# Altium PCB SJ2096POE.PcbDoc (part 4 of 5)
Units mm, origin at the board's own origin, x right, y up, seen from the top; angles counter-clockwise.
Board outline 60 x 60 mm, 4 copper layers (Top Layer, Layer 2, Layer 3, Bottom Layer), stack 1.578 mm thick; 235 components, 211 nets, 948 pads, 686 vias.
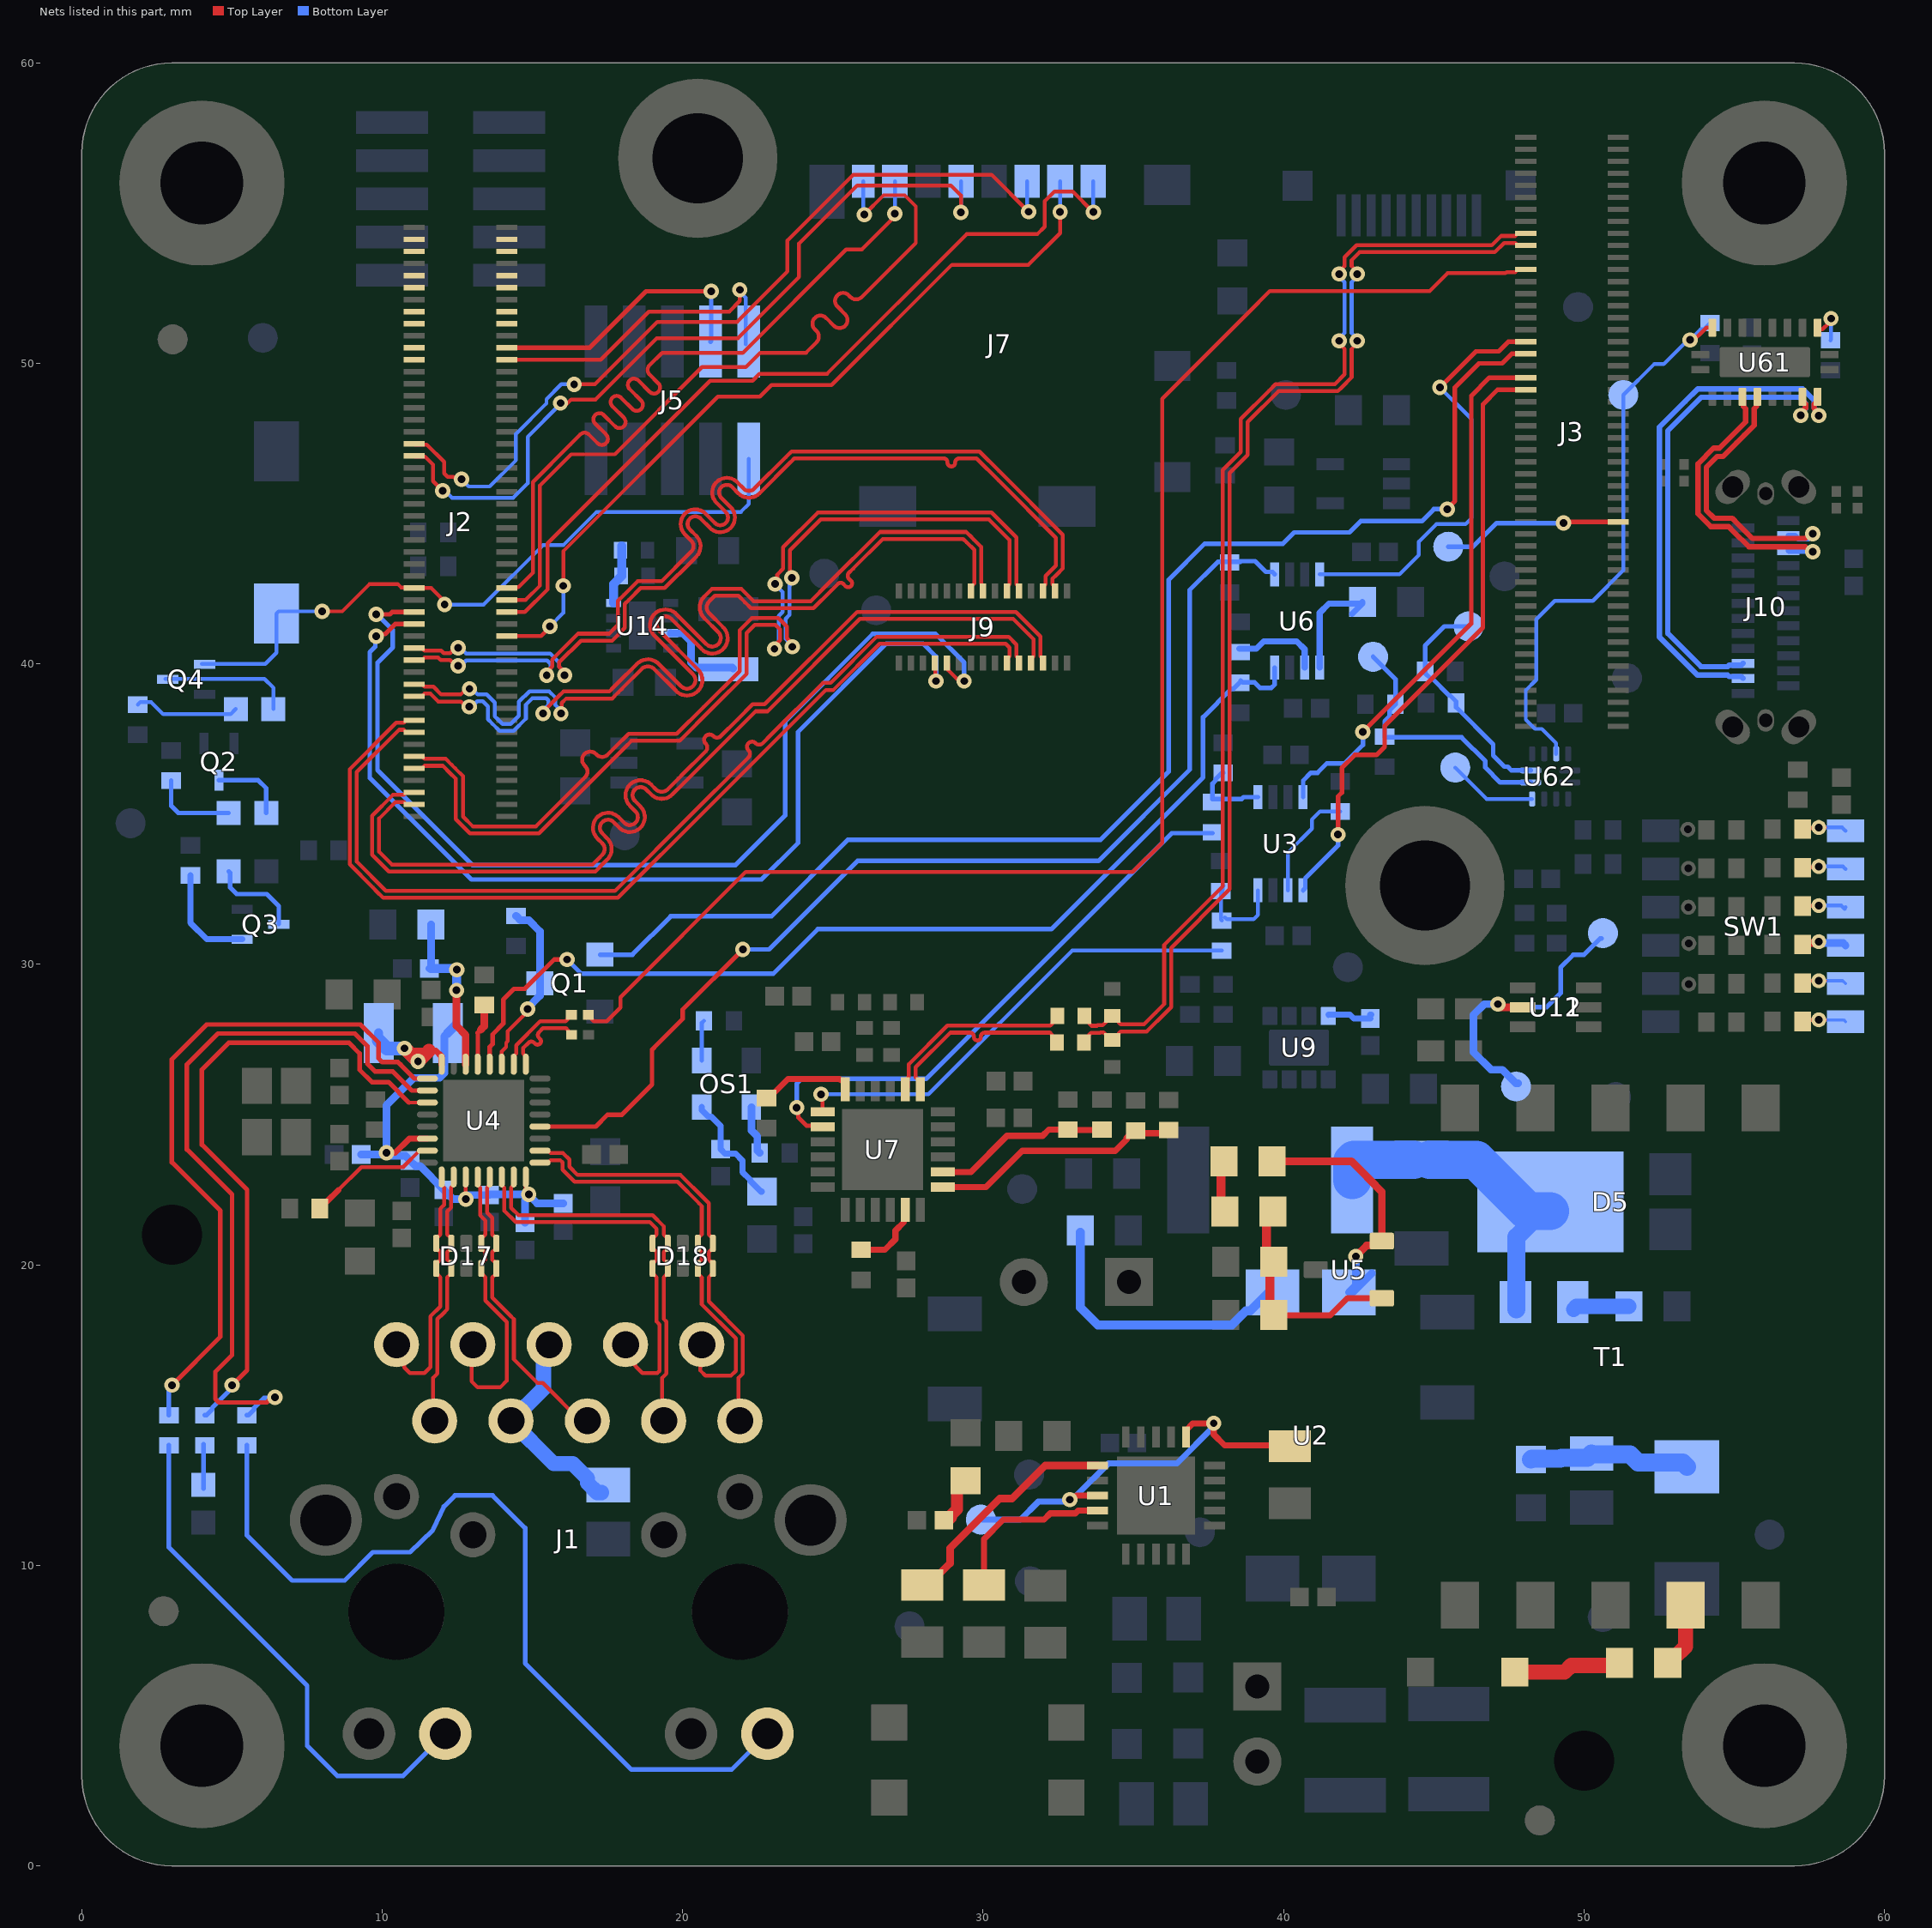
[diagram p6: the nets of this part, all layers, seen from the top]

## Via types
v1: diameter 0.508, hole 0.254, Top Layer to Bottom Layer, tented both sides, 674 vias
v2: diameter 0.406, hole 0.203, Top Layer to Bottom Layer, 10 vias
v3: diameter 0.508, hole 0.254, Top Layer to Bottom Layer, 2 vias

## Nets (pads, with @x,y where several pads share a name; then routed paths per layer and width w, separated by ;. In a path a pad name is that pad's centre, name@x,y a point inside that pad or via, vN(x,y) a via of type N, cw(c..) or ccw(c..) an arc to the next point about the centre after c; other vN are vias at no path point) (continued)
I2C0_SDA: J3.36 TP2.1 | length 6
  Top Layer w0.152: v1(49.315,44.686) 49.354,44.725 J3.36@51.14,44.725
  Bottom Layer w0.152: TP2.1@45.481,43.902 46.304,43.902 47.088,44.686 v1(49.315,44.686)
I2C1_SCL: J2.35 J9.20 | length 34.7
  Top Layer w0.127: J9.20@28.794,40.028 28.841,39.982 28.841,39.787 29.127,39.501 29.293,39.501 v1(29.366,39.428)
  Top Layer w0.152: v1(9.8,41.65) 10.25,41.65 10.325,41.725 J2.35@11.06,41.725
  Bottom Layer w0.152: v1(9.8,41.65) 9.825,41.65 10.35,41.125 10.35,40.548 9.84,40.039 9.84,36.467 13.007,33.301 21.751,33.301 23.413,34.963 23.413,38.088 26.325,41 28.417,41 29.366,40.05 v1(29.366,39.428)
I2C1_SDA: J2.33 J9.19 | length 33.5
  Top Layer w0.127: J9.19@28.394,40.028 28.414,40.009 28.414,39.447 v1(28.433,39.428)
  Top Layer w0.152: v1(9.8,40.925) 9.868,40.993 10.093,40.993 10.425,41.325 J2.33@11.06,41.325
  Bottom Layer w0.152: v1(9.8,40.925) 9.771,40.896 9.771,40.576 9.586,40.392 9.586,36.206 12.968,32.825 22.625,32.825 23.839,34.039 23.839,37.739 26.775,40.675 28,40.675 28.433,40.242 v1(28.433,39.428)
I2C2_SCL: J2.77
I2C2_SDA: J2.79
I2C3_SCL: J2.78 J5.2 | length 10.8
  Top Layer w0.127: J2.78@14.14,50.125 17.275,50.125 18.875,51.725 21.55,51.725 21.9,52.075 v1(21.9,52.45)
  Bottom Layer w0.127: v1(21.9,52.45) 21.9,52.387 22.102,52.185 J5.2@22.102,50.632
I2C3_SDA: J2.80 J5.4 | length 9.3
  Top Layer w0.152: J2.80@14.14,50.525 16.907,50.525 18.782,52.4 v1(20.95,52.4)
  Bottom Layer w0.152: J5.4@20.925,50.725 20.95,50.75 v1(20.95,52.4)
I2C4_SCL1_3v3: RZ2.2 U7.20 | length 19.4
  Top Layer w0.152: v1(23.795,25.236) 23.846,25.185 23.846,24.911 24.127,24.63 24.615,24.63 U7.20@24.655,24.59
  Bottom Layer w0.152: v1(23.795,25.236) 23.795,26.033 23.955,26.193 28.101,26.193 36.276,34.368 RZ2.2@37.634,34.368
I2C4_SCL_1V8: J3.59 U3.4 | length 18.2
  Top Layer w0.152: v1(42.637,37.738) 46.246,41.347 46.246,48.921 46.85,49.525 J3.59@48.06,49.525
  Bottom Layer w0.152: U3.4@40.65,35.566 40.65,36.117 40.91,36.377 41.128,36.377 41.442,36.692 42.027,36.692 42.637,37.302 v1(42.637,37.738)
I2C4_SCL_3v3: R26.2 RZ2.1 U3.1 | length 2.6
  Bottom Layer w0.152: R26.2@37.989,36.371 37.939,36.371 37.74,36.172 37.74,36.122 37.634,36.016 37.634,35.5 38.6,35.5 38.666,35.566 U3.1@39.15,35.566
I2C4_SDA1_3v3: RZ1.2 U7.19 | length 15.9
  Top Layer w0.127: v1(24.604,25.679) 24.655,25.628 U7.19@24.655,25.09
  Bottom Layer w0.127: v1(24.604,25.679) 28.179,25.679 32.958,30.458 RZ1.2@37.941,30.458
I2C4_SDA_1V8: J3.57 U3.5 | length 20.7
  Top Layer w0.152: v1(41.812,34.32) 41.812,35.59 41.94,35.718 41.94,36.54 42.37,36.97 43.094,36.97 43.363,37.24 43.363,37.938 46.634,41.209 46.634,48.634 47.125,49.125 J3.57@48.06,49.125
  Bottom Layer w0.152: U3.5@40.65,32.466 40.724,32.54 40.724,32.869 41.812,33.957 v1(41.812,34.32)
I2C4_SDA_3v3: R25.2 RZ1.1 U3.8 | length 3.2
  Bottom Layer w0.127: R25.2@37.912,32.441 37.912,31.487 RZ1.1@37.941,31.458 ; R25.2@37.975,32.441 37.975,32.591 R25.2@38,32.616 ; RZ1.1@38.046,31.564 38.111,31.5 39,31.5 39.15,31.65 U3.8@39.15,32.466
ISNS: R13.1 TP10.1 U1.1 U1.8 | length 14.2
  Top Layer w0.203: v1(32.881,12.191) 32.963,12.191 33.098,12.325 U1.8@33.8,12.325 ; U1.1@36.75,14.275 36.75,14.5 36.973,14.723 37.667,14.723 v1(37.675,14.73) 37.675,14.358 38.037,13.995 R13.1@39.961,13.995
  Bottom Layer w0.203: TP10.1@29.926,11.525 31.24,11.525 31.836,12.121 v1@32.979,12.121 ; v1(32.881,12.191) 32.963,12.191 33.113,12.34 33.115,12.34 34.175,13.4 36.45,13.4 37.675,14.625 v1(37.675,14.73)
LED0_10_GRN: R57.1 U4.27 | length 22.9
  Top Layer w0.127: 10.2,26.075 10.872,25.403 10.89,25.403 U4.27@11.501,25.403
  Top Layer w0.152: v1(5,16) 5.5,16.5 5.5,22.5 4,24 4,26.5 4.891,27.391 8.895,27.391 9.25,27.036 9.25,26.494 9.66,26.084 ; 9.809,26.084 9.66,26.084 ; 10.206,26.081 10.202,26.084 ; 10.89,25.403 10.209,26.084 10.202,26.084 ; 9.66,26.084 10.202,26.084
  Bottom Layer w0.152: R57.1@4.099,14.998 4.149,14.998 4.347,15.197 4.347,15.247 4.932,15.832 4.932,15.932 v1(5,16)
LED0_10_GRN1: D16.1 R57.2 | length 1.5
  Bottom Layer w0.152: D16.1@4.049,12.558 R57.2@4.049,14.039
LED1_100_OR: R58.1 U4.26 | length 25.3
  Top Layer w0.127: U4.26@11.228,25.827 11.478,25.827 U4.26@11.501,25.803
  Top Layer w0.152: v1(6.428,15.598) 6.333,15.598 6.16,15.425 4.559,15.425 4.444,15.54 4.444,16.444 5,17 5,22.343 3.5,23.843 3.5,26.671 4.53,27.702 9.09,27.702 9.504,27.287 9.504,26.7 ; 9.504,26.906 9.504,26.7 ; U4.26@11.501,25.803 10.988,25.803 10.355,26.436 9.768,26.436 9.504,26.7
  Bottom Layer w0.152: R58.1@5.492,14.998 5.542,14.998 5.741,15.197 5.741,15.247 6.07,15.577 6.407,15.577 v1(6.428,15.598)
LED1_100_OR1: J1.18 R58.2 | length 29.2
  Bottom Layer w0.152: R58.2@5.492,13.998 5.492,11.008 7,9.5 8.751,9.5 9.69,10.439 10.922,10.439 11.684,11.176 11.696,11.201 12.051,11.958 12.421,12.329 13.671,12.329 14.757,11.243 14.757,6.743 18.293,3.207 21.627,3.207 J1.18@22.82,4.4
LED2_1000_GRN: R59.1 U4.25 | length 23.4
  Top Layer w0.152: v1(3,16) 4.614,17.614 4.614,21.802 3,23.416 3,26.845 4.155,28 9.275,28 9.878,27.398 9.878,26.872 10,26.75 10.525,26.75 ; 10.622,26.653 10.525,26.75 ; U4.25@11.501,26.203 11.072,26.203 10.525,26.75
  Bottom Layer w0.152: R59.1@2.9,14.998 2.9,15.9 v1(3,16)
LED2_1000_GRN1: J1.16 R59.2 | length 17.8
  Bottom Layer w0.13: J1.16@12.1,4.4 J1.16@12.288,4.588
  Bottom Layer w0.152: R59.2@2.9,13.998 2.9,10.6 7.5,6 7.5,4 8.5,3 10.7,3 J1.16@12.1,4.4
MD1_N: D17.2 D17.9 J1.2 U4.2 | length 8.7
  Top Layer w0.13: J1.2@11.745,14.81 11.694,14.861 11.694,16.238 11.838,16.382 11.838,16.681 11.838,18.195 12.03,18.387 12.166,18.523 12.166,19.589 12.242,19.665 12.265,19.665 12.3,19.7 D17.2@12.3,19.883 12.3,20.065 12.265,20.1 12.242,20.1 12.166,20.176 12.166,20.424 12.242,20.5 12.265,20.5 12.3,20.535 D17.9@12.3,20.717 12.3,20.9 12.265,20.935 12.242,20.935 12.166,21.011 12.166,21.78 12.292,21.906 12.292,22.575 12.376,22.659 U4.2@12.376,22.928
MD1_P: D17.1 D17.10 J1.1 U4.1 | length 8.7
  Top Layer w0.13: J1.1@10.475,17.35 10.737,17.088 10.737,16.588 10.924,16.401 11.404,16.401 11.607,16.605 11.607,18.291 11.934,18.619 11.934,19.589 11.858,19.665 11.835,19.665 11.8,19.7 D17.1@11.8,19.883 11.8,20.065 11.835,20.1 11.858,20.1 11.934,20.176 11.934,20.424 11.858,20.5 11.835,20.5 11.8,20.535 D17.10@11.8,20.717 11.8,20.9 11.835,20.935 11.858,20.935 11.934,21.011 11.934,21.875 12.061,22.002 12.061,22.575 11.976,22.659 U4.1@11.976,22.928
MD2_N: D17.5 D17.6 J1.6 U4.5 | length 10
  Top Layer w0.13: U4.5@13.576,22.928 13.576,22.659 13.492,22.575 13.492,21.745 13.666,21.571 13.666,21.011 13.742,20.935 13.765,20.935 13.8,20.9 D17.6@13.8,20.717 13.8,20.535 13.765,20.5 13.742,20.5 13.666,20.424 13.666,20.176 13.742,20.1 13.765,20.1 13.8,20.065 D17.5@13.8,19.883 13.8,19.7 13.765,19.665 13.742,19.665 13.666,19.589 13.666,19.405 13.666,18.909 14.246,18.329 14.381,18.194 14.381,16.861 15.167,16.075 15.341,16.075 16.606,14.81 J1.6@16.825,14.81
MD2_P: D17.4 D17.7 J1.3 U4.4 | length 10
  Top Layer w0.13: J1.3@13.13,17.235 12.975,17.079 12.975,16.125 13.175,15.925 13.925,15.925 14.15,16.15 14.15,18.098 13.986,18.261 13.434,18.814 13.434,19.31 13.434,19.589 13.358,19.665 13.335,19.665 13.3,19.7 D17.4@13.3,19.883 13.3,20.065 13.335,20.1 13.358,20.1 13.434,20.176 13.434,20.424 13.358,20.5 13.335,20.5 13.3,20.535 D17.7@13.3,20.717 13.3,20.9 13.335,20.935 13.358,20.935 13.434,21.011 13.434,21.475 13.261,21.649 13.261,22.575 13.176,22.659 U4.4@13.176,22.928
MD3_N: D18.2 D18.9 J1.8 U4.7 | length 13.3
  Top Layer w0.13: U4.7@14.376,22.928 14.376,22.659 14.292,22.575 14.292,21.9 14.538,21.654 19.002,21.654 19.366,21.29 19.366,21.011 19.442,20.935 19.465,20.935 19.5,20.9 19.5,20.535 19.465,20.5 19.442,20.5 19.366,20.424 19.366,20.176 19.442,20.1 19.465,20.1 19.5,20.065 19.5,19.7 19.465,19.665 19.442,19.665 19.366,19.589 19.366,18.206 19.458,18.114 19.458,16.382 19.314,16.238 19.314,14.861 J1.8@19.365,14.81
MD3_P: D18.1 D18.10 J1.7 U4.6 | length 13.3
  Top Layer w0.13: U4.6@13.976,22.928 13.976,22.659 14.061,22.575 14.061,21.804 14.442,21.422 18.906,21.422 19.134,21.195 19.134,21.011 19.058,20.935 19.035,20.935 19,20.9 19,20.535 19.035,20.5 19.058,20.5 19.134,20.424 19.134,20.176 19.058,20.1 19.035,20.1 19,20.065 19,19.7 19.035,19.665 19.058,19.665 19.134,19.589 19.134,18.111 19.227,18.018 19.227,16.477 19.151,16.401 18.657,16.401 18.44,16.618 18.44,16.634 18.095,16.979 J1.7@18.095,17.35
MD4_N: D18.5 D18.6 J1.10 U4.10 | length 14.6
  Top Layer w0.13: U4.10@15.251,23.803 15.52,23.803 15.605,23.719 16.02,23.719 16.231,23.508 16.231,23.264 16.495,23 19.923,23 20.73,22.193 20.866,22.057 20.866,21.011 20.942,20.935 20.965,20.935 21,20.9 D18.6@21,20.717 21,20.535 20.965,20.5 20.942,20.5 20.866,20.424 20.866,20.176 20.942,20.1 20.965,20.1 21,20.065 D18.5@21,19.883 21,19.7 20.965,19.665 20.942,19.665 20.866,19.589 20.866,18.782 21.998,17.65 21.998,16.382 21.854,16.238 21.854,14.861 J1.10@21.905,14.81
MD4_P: D18.4 D18.7 J1.9 U4.9 | length 14.6
  Top Layer w0.13: U4.9@15.251,23.403 15.52,23.403 15.605,23.488 15.924,23.488 16,23.412 16,23.168 16.399,22.769 16.591,22.769 19.827,22.769 20.549,22.047 20.634,21.961 20.634,21.011 20.558,20.935 20.535,20.935 20.5,20.9 D18.7@20.5,20.717 20.5,20.535 20.535,20.5 20.558,20.5 20.634,20.424 20.634,20.176 20.558,20.1 20.535,20.1 20.5,20.065 D18.4@20.5,19.883 20.5,19.7 20.535,19.665 20.558,19.665 20.634,19.589 20.634,18.686 21.767,17.554 21.767,16.477 21.606,16.316 20.756,16.316 20.591,16.481 20.591,17.306 J1.9@20.635,17.35
MIPI_RX2_C_N: J2.95
MIPI_RX2_C_P: J2.97
MIPI_RX2_D0_N: J2.89
MIPI_RX2_D0_P: J2.91
MIPI_RX2_D1_N: J2.83
MIPI_RX2_D1_P: J2.85
MIPI_RX3_C_N: J2.96
MIPI_RX3_C_P: J2.98
MIPI_RX3_D0_N: J2.90
MIPI_RX3_D0_P: J2.92
MIPI_RX3_D1_N: J2.84
MIPI_RX3_D1_P: J2.86
MIPI_RX4_C_N: J2.3 J9.28 | length 32.6
  Top Layer w0.13: J2.3@11.06,35.325 10.8,35.325 10.716,35.409 10.452,35.409 9.897,34.855 9.897,33.746 10.318,33.325 16.998,33.325 17.196,33.524 ; 17.196,33.524 17.323,33.65 ; 17.323,34.031 17.161,34.193 cw(c17.513,34.547) 17.867,34.899 ; 17.324,33.651 ccw(c17.135,33.841) 17.324,34.03 ; 17.867,34.899 18.05,34.715 ccw(c18.24,34.904) 18.429,35.094 18.246,35.277 cw(c18.598,35.631) 18.245,35.984 cw(c18.598,35.631) 18.951,35.984 ; 18.952,35.984 19.114,35.821 ; 19.114,35.821 ccw(c19.304,36.01) 19.494,35.821 ; 19.494,35.821 19.876,36.203 ; 19.877,36.204 20.004,36.331 20.721,37.048 20.766,37.094 ccw(c20.64,37.22) 20.766,37.346 cw(c20.893,37.473) 21.019,37.599 ccw(c21.146,37.726) 21.272,37.599 21.822,38.149 22.327,38.654 22.727,38.654 25.804,41.731 31.096,41.731 31.508,41.319 31.91,40.917 31.91,40.253 31.994,40.168 J9.28@31.994,40.028
MIPI_RX4_C_P: J2.5 J9.27 | length 32.6
  Top Layer w0.13: J2.5@11.06,35.725 10.8,35.725 10.716,35.641 10.356,35.641 9.666,34.95 9.666,33.651 10.223,33.094 17.094,33.094 17.36,33.36 17.487,33.487 ccw(c17.135,33.841) 17.487,34.194 ; 17.325,34.357 17.487,34.194 ; 17.324,34.357 cw(c17.513,34.547) 17.703,34.736 ; 17.703,34.735 17.886,34.552 ccw(c18.24,34.904) 18.593,35.258 18.409,35.441 cw(c18.598,35.631) 18.408,35.82 ; 18.409,35.821 cw(c18.598,35.631) 18.788,35.82 ; 18.788,35.82 18.95,35.658 ccw(c19.304,36.01) 19.657,35.657 20.04,36.04 ; 20.041,36.041 20.168,36.168 22.423,38.423 22.823,38.423 25.9,41.5 31,41.5 31.5,41 31.679,40.821 31.679,40.253 31.594,40.168 J9.27@31.594,40.028
MIPI_RX4_D0_N: J2.9 J9.5 | length 32.5
  Top Layer w0.13: J2.9@11.06,36.525 11.32,36.525 11.404,36.609 12.016,36.609 12.263,36.363 12.443,36.182 12.443,34.832 12.449,34.832 12.59,34.691 12.917,34.364 15.216,34.364 18.082,37.229 18.292,37.44 19.898,37.44 21.017,38.559 22.125,39.667 22.125,41.025 22.4,41.3 23.086,41.3 23.236,41.15 23.236,40.783 23.056,40.602 v1(23.056,40.5) ; v1(23.075,42.657) 23.147,42.73 23.147,42.974 23.341,43.168 23.341,43.58 23.341,43.884 24.502,45.044 30.283,45.044 31.11,44.217 31.11,42.873 31.11,42.653 31.194,42.568 J9.5@31.194,42.428
  Bottom Layer w0.13: v1(23.056,40.5) 23.056,40.602 23.195,40.742 23.195,41.597 23.328,41.73 23.328,42.392 23.075,42.645 v1(23.075,42.657)
MIPI_RX4_D0_P: J2.11 J9.6 | length 32.3
  Top Layer w0.13: J2.11@11.06,36.925 11.32,36.925 11.404,36.841 12.111,36.841 12.314,36.639 12.426,36.526 12.685,36.267 12.685,34.923 13.013,34.595 15.12,34.595 16.705,36.18 16.751,36.226 ccw(c16.562,36.415) 16.751,36.605 16.731,36.625 cw(c16.92,36.814) 17.11,37.003 17.13,36.984 ccw(c17.319,37.173) 17.509,36.984 17.977,37.452 17.986,37.461 18.196,37.671 19.802,37.671 20.699,38.567 21.894,39.762 21.894,41.121 22.304,41.531 23.182,41.531 23.468,41.246 23.468,40.853 23.648,40.673 v1(23.648,40.57) ; v1@23.572,43.072 23.572,43.675 23.572,43.788 24.598,44.813 30.187,44.813 30.879,44.121 30.879,42.969 30.879,42.653 30.794,42.568 J9.6@30.794,42.428
  Bottom Layer w0.13: v1(23.634,42.866) 23.561,42.794 23.561,42.604 23.559,42.601 23.559,41.634 23.426,41.502 23.426,40.835 23.648,40.613 v1(23.648,40.57)
MIPI_RX4_D1_N: J2.15 J9.26 | length 32.5
  Top Layer w0.13: J2.15@11.06,37.725 10.8,37.725 10.716,37.809 10.559,37.809 9.15,36.4 9.15,33.425 10.125,32.45 17.75,32.45 20.445,35.145 21.782,36.482 22.191,36.891 ccw(c22.074,37.009) 22.191,37.126 22.19,37.128 cw(c22.308,37.245) 22.425,37.363 22.426,37.362 ccw(c22.544,37.479) 22.662,37.362 22.943,37.643 24.667,39.367 24.921,39.367 26.46,40.906 30.846,40.906 31.11,40.642 31.11,40.253 31.194,40.168 J9.26@31.194,40.028
MIPI_RX4_D1_P: J2.17 J9.25 | length 32.6
  Top Layer w0.13: J2.17@11.06,38.125 10.8,38.125 10.716,38.041 10.464,38.041 8.919,36.496 8.919,33.329 9.686,32.561 9.824,32.424 10.029,32.219 17.846,32.219 20.764,35.136 24.763,39.136 25.016,39.136 26.556,40.675 30.75,40.675 30.879,40.546 30.879,40.253 30.794,40.168 J9.25@30.794,40.028 J9.25@30.84,40.073
MIPI_RX5_D0_N: J2.21 J9.8 | length 32.7
  Top Layer w0.13: J2.21@11.06,38.925 11.32,38.925 11.404,39.009 11.604,39.009 11.864,38.75 12.623,38.75 12.798,38.575 v1(12.9,38.575) ; v1(15.351,38.351) 15.351,38.404 15.876,38.929 16.028,39.081 17.557,39.081 17.689,39.213 17.816,39.34 ; 17.817,39.341 18.477,40.001 cw(c18.84,39.64) 19.165,40.036 19.168,40.036 19.201,40.003 cw(c18.84,39.64) 19.203,40.001 19.944,39.26 ccw(c20.144,39.458) 20.342,39.259 ; 20.343,39.26 ccw(c20.144,39.458) 20.342,39.656 19.06,40.938 cw(c19.423,41.3) 19.747,41.696 19.751,41.696 19.784,41.663 cw(c19.423,41.3) 19.785,41.661 20.787,40.659 ccw(c20.986,40.857) 21.184,41.057 20.721,41.52 cw(c21.082,41.882) 20.721,42.245 20.976,42.5 21.28,42.5 21.95,42.5 22.361,42.089 24.262,42.089 24.839,42.667 26.563,44.391 29.437,44.391 29.508,44.319 ; J9.8@29.994,42.428 29.949,42.473 29.949,42.675 29.935,42.689 29.935,43.892 29.685,44.142 29.561,44.266 ; 29.508,44.319 29.561,44.266 ; 29.508,44.319 29.561,44.266
  Bottom Layer w0.13: v1(12.9,38.575) 12.985,38.575 13.165,38.755 13.349,38.755 13.519,38.584 13.519,38.5 ; 13.519,38.517 13.519,38.5 ; v1(15.351,38.351) 15.351,38.454 15.534,38.637 15.534,38.784 15.458,38.86 15.146,38.86 14.995,38.86 14.782,38.647 14.782,38.18 14.37,37.769 13.907,37.769 13.668,38.007 13.519,38.157 13.519,38.5
MIPI_RX5_D0_P: J2.23 J9.9 | length 35.3
  Top Layer w0.13: J2.23@11.06,39.325 11.32,39.325 11.404,39.241 11.7,39.241 11.959,38.981 12.611,38.981 12.802,39.172 v1(12.904,39.172) ; v1(15.948,38.347) 15.972,38.371 15.972,38.698 16.124,38.85 17.653,38.85 17.853,39.05 17.98,39.177 ; 17.981,39.178 18.641,39.838 ; 18.641,39.838 cw(c18.84,39.64) 19.039,39.838 19.781,39.096 ccw(c20.144,39.458) 20.506,39.096 ccw(c20.144,39.458) 20.505,39.82 ; 20.505,39.82 19.225,41.101 cw(c19.423,41.3) 19.622,41.498 20.623,40.496 ccw(c20.986,40.857) 21.382,41.182 21.382,41.185 21.349,41.219 ccw(c20.986,40.857) 21.348,41.22 20.885,41.683 ; 20.884,41.683 cw(c21.082,41.882) 20.884,42.081 21.072,42.269 21.512,42.269 21.854,42.269 22.075,42.048 22.266,41.857 24.357,41.857 24.935,42.435 25.163,42.663 cw(c25.254,42.571) 25.346,42.663 25.419,42.59 ccw(c25.51,42.68) 25.601,42.771 25.528,42.844 cw(c25.619,42.936) 25.528,43.028 25.675,43.175 26.659,44.159 ; J9.9@29.594,42.428 29.594,42.568 29.704,42.678 29.704,43.796 29.453,44.047 29.341,44.159 ; 26.659,44.159 29.341,44.159 ; 26.659,44.159 29.341,44.159
  Bottom Layer w0.13: v1(12.904,39.172) 12.983,39.172 13.169,38.986 13.479,38.986 13.75,38.715 13.75,38.252 13.832,38.171 14.002,38 14.274,38 14.551,38.276 14.551,38.742 14.9,39.091 15.05,39.091 15.554,39.091 15.765,38.88 15.765,38.632 15.948,38.45 v1(15.948,38.347)
MIPI_RX5_D1_N: J2.27 J9.2 | length 32.5
  Top Layer w0.13: J2.27@11.06,40.125 11.32,40.125 11.404,40.209 11.864,40.209 11.95,40.124 12.257,40.124 12.443,39.938 v1(12.522,39.938) ; v1(15.475,39.625) 15.475,39.727 15.661,39.914 15.661,40.149 16.519,41.007 17.555,41.007 17.761,41.214 17.845,41.297 17.845,42.095 18.05,42.3 18.506,42.756 19.306,42.756 20.159,43.609 20.286,43.736 ; 20.287,43.737 ccw(c20.106,43.918) 20.286,44.099 20.075,44.31 cw(c20.418,44.655) 20.074,44.999 cw(c20.418,44.655) 20.725,45.033 20.728,45.033 20.762,45 cw(c20.418,44.655) 20.763,44.999 21.072,44.69 ccw(c21.253,44.87) 21.433,45.051 ; 21.432,45.051 21.124,45.36 cw(c21.467,45.704) 21.774,46.082 21.778,46.082 21.811,46.049 cw(c21.467,45.704) 21.812,46.048 22.024,45.836 ; 22.024,45.836 ccw(c22.205,46.016) 22.386,45.836 ; 22.386,45.836 23.438,46.888 ; 23.439,46.889 23.566,47.016 23.62,47.07 29.879,47.07 30.528,46.422 32.652,44.297 32.652,43.177 32.45,42.975 32.31,42.835 32.31,42.653 32.394,42.568 J9.2@32.394,42.428
  Bottom Layer w0.13: v1(12.522,39.938) 12.608,39.938 12.787,40.118 15.49,40.118 15.604,40.004 15.604,39.856 15.475,39.727 v1(15.475,39.625)
MIPI_RX5_D1_P: J2.29 J9.3 | length 32.5
  Top Layer w0.13: J2.29@11.06,40.525 11.32,40.525 11.404,40.441 11.96,40.441 12.046,40.355 12.261,40.355 12.441,40.535 v1(12.526,40.535) ; v1(16.072,39.621) 16.072,39.723 15.892,39.903 15.892,40.053 16.615,40.776 17.651,40.776 17.925,41.05 18.077,41.202 18.077,42 18.214,42.136 18.602,42.525 19.402,42.525 20.323,43.446 20.45,43.573 ; 20.238,44.474 cw(c20.418,44.655) 20.237,44.835 20.238,44.836 cw(c20.418,44.655) 20.6,44.835 20.908,44.526 ccw(c21.253,44.87) 21.631,45.176 21.631,45.18 21.598,45.213 ccw(c21.253,44.87) 21.596,45.215 21.288,45.523 cw(c21.467,45.704) 21.649,45.884 21.86,45.673 ccw(c22.205,46.016) 22.55,45.673 23.602,46.725 ; 20.238,44.474 20.45,44.262 cw(c20.106,43.918) 20.451,44.261 20.484,44.228 20.484,44.224 cw(c20.106,43.918) 20.451,43.574 ; 23.603,46.725 23.716,46.839 23.744,46.839 28.362,46.839 28.683,46.839 cw(c28.683,46.709) 28.813,46.709 28.813,46.7 ccw(c28.941,46.7) 28.941,46.571 ccw(c28.941,46.7) 29.07,46.7 29.07,46.709 cw(c29.199,46.709) 29.199,46.839 29.778,46.839 29.784,46.839 30.519,46.103 ; 30.519,46.103 32.421,44.201 32.421,43.273 32.286,43.139 32.079,42.931 32.079,42.653 31.994,42.568 J9.3@31.994,42.428
  Bottom Layer w0.13: v1(12.526,40.535) 12.606,40.535 12.792,40.349 15.586,40.349 15.7,40.235 15.889,40.046 15.889,39.906 16.072,39.723 v1(16.072,39.621)
MODULE_nRST: B1.2 J2.39 J5.1 Q4.1 | length 23.3
  Top Layer w0.127: v1(8,41.75) 8.67,41.75 9.57,42.65 10.525,42.65 10.627,42.548 11.037,42.548 J2.39@11.06,42.525 11.628,42.525 11.939,42.214 12.075,42.078 v1(12.075,41.975)
  Bottom Layer w0.127: Q4.1@4,40 6.105,40 6.476,40.371 B1.2@6.476,41.675 6.551,41.75 v1(8,41.75) ; v1(12.075,41.975) 13.375,41.975 15.35,43.95 16.025,43.95 17.136,45.061 21.936,45.061 22.195,45.32 J5.1@22.195,46.825
NetC4_1: C4.1 D4.1 R4.1 | length 5.5
  Bottom Layer w0.6: R4.1@48.225,13.525 48.253,13.553 49.219,13.553 49.25,13.584 50.109,13.584 C4.1@50.25,13.725 50.274,13.701 51.524,13.701 51.797,13.428 53.279,13.428 D4.1@53.425,13.282
NetC5_1: C5.1 R5.1 | length 1.9
  Bottom Layer w0.508: R5.1@49.65,18.525 49.745,18.62 C5.1@51.489,18.62
NetC6_2: C6.2 D5.1 L1.1 R5.2 | length 11.3
  Bottom Layer w0.6: R5.2@47.75,18.525 47.75,20.927 D5.1@48.398,21.575
  Bottom Layer w0.762: D5.1@48.398,21.575 48.647,21.575 D5.1@48.863,21.791
  Bottom Layer w1.27: L1.1@42.28,22.825 42.28,23.435 42.345,23.5 C6.2@44.332,23.5 ; C6.2@44.862,23.5 46.405,23.5 48.113,21.791 D5.1@48.863,21.791
NetC23_1: C23.1 U2.2 U5.2 | length 10.3
  Top Layer w0.254: C23.1@39.613,23.448 42.252,23.448 ; v1(42.401,20.285) 42.763,20.647 43.122,20.647 U5.2@43.27,20.795 43.27,22.43 42.252,23.448 ; 43.066,22.634 42.252,23.448
  Bottom Layer w0.254: v1(42.401,20.285) 42.401,19.316 U2.2@42.17,19.085 42.3,19.085 U2.2@42.933,19.718
NetC23_2: C23.2 R17.2 | length 2
  Top Layer w0.305: R17.2@37.92,21.673 37.92,23.545 C23.2@38.025,23.65
NetC24_2: C24.2 R18.1 | length 1.7
  Top Layer w0.406: C24.2@28.817,11.56 28.886,11.56 28.928,11.602 28.928,11.671 29.128,11.872 29.128,12.628 R18.1@29.425,12.925
NetC50_2: C50.2 J1.4 J1.5 | length 7.2
  Bottom Layer w0.508: J1.5@15.555,17.35 15.365,17.16 15.365,15.89 J1.4@14.285,14.81 15.706,13.389 16.336,13.389 16.829,12.896 16.829,12.746 17.15,12.425 C50.2@17.3,12.425
NetC58_2: C58.2 U9.8 | length 1.5
  Bottom Layer w0.127: U9.8@41.489,28.281 U9.8@41.489,28.331
  Bottom Layer w0.203: U9.8@41.489,28.331 42.205,28.331 42.333,28.203 C58.2@42.884,28.203 ; C58.2@42.884,28.331 C58.2@42.921,28.331
NetD2_2: D2.2 R3.1 | length 3.5
  Top Layer w0.508: D2.2@47.7,6.45 49.35,6.45 49.575,6.675 R3.1@51.15,6.675
NetD3_1: D3.1 Q2.3 | length 2.5
  Bottom Layer w0.152: Q2.3@4.561,36.13 5.87,36.13 6.138,35.862 D3.1@6.138,35.037
NetD6_1: D6.1 Q3.3 | length 3
  Bottom Layer w0.152: D6.1@4.892,33.097 4.942,33.047 4.942,32.558 5.157,32.343 6.157,32.343 6.556,31.944 Q3.3@6.556,31.341
NetD7_1: D7.1 Q4.3 | length 4.4
  Bottom Layer w0.127: Q4.3@2.78,39.5 6.082,39.5 6.376,39.207 6.376,39.101 D7.1@6.375,38.5
NetL3_1: L3.1 U14.7 | length 3
  Bottom Layer w0.254: U14.7@19.601,41.025 19.611,41.015 20.011,41.015 20.276,40.75 20.276,40.05 20.444,39.882 21.644,39.882 L3.1@21.676,39.85
NetQ3_1: Q3.1 R54.1 | length 3.5
  Bottom Layer w0.203: R54.1@3.62,32.963 3.62,31.38 4.159,30.841 Q3.1@5.336,30.841
NetR2_1: pad.5@57.812,28.157 R2.1 SW1.12 | length 1.6
  Top Layer w0.102: R2.1@57.372,28.102 R2.1@57.427,28.157
  Top Layer w0.127: R2.1@57.427,28.157 pad.5@57.812,28.157 pad.5@58.012,28.157
  Bottom Layer w0.102: pad.5@57.812,28.157 58.637,28.157 SW1.12@58.702,28.092
NetR3_2: R3.2 T1.2 | length 2
  Top Layer w0.508: R3.2@52.946,6.921 52.996,6.921 53.375,7.3 T1.2@53.375,8.675
NetR6_1: R6.1 U3.6 | length 3.7
  Bottom Layer w0.127: U3.6@40.15,32.466 40.15,33.724 40.945,34.519 40.945,34.823 41.209,35.087 R6.1@41.883,35.087
NetR7_1: pad.5@57.812,30.757 R7.1 SW1.10 | length 1.4
  Top Layer w0.254: R7.1@57.372,30.662 57.42,30.71 57.765,30.71 pad.5@57.812,30.757
  Bottom Layer w0.254: pad.5@57.812,30.757 57.859,30.71 58.624,30.71 SW1.10@58.702,30.632
NetR9_1: pad.5@57.812,29.457 R9.1 SW1.11 | length 1.6
  Top Layer w0.102: R9.1@57.372,29.382 R9.1@57.447,29.457
  Top Layer w0.127: R9.1@57.447,29.457 pad.5@57.812,29.457 pad.5@58.012,29.457
  Bottom Layer w0.102: pad.5@57.812,29.457 58.607,29.457 SW1.11@58.702,29.362
NetR14_1: R14.1 R15.2 R17.1 U5.1 | length 7.5
  Top Layer w0.203: R15.2@39.5,18.365 39.54,18.325 41.55,18.325 42.12,18.895 U5.1@43.27,18.895
  Top Layer w0.305: R17.1@39.52,21.673 39.426,21.579 39.426,20.102 39.54,19.988 R15.2@39.54,18.325
NetR16_1: pad.5@57.812,34.557 R16.1 SW1.7 | length 1.6
  Top Layer w0.127: R16.1@57.399,34.529 57.985,34.529 pad.5@58.012,34.557
  Top Layer w0.254: R16.1@57.372,34.502 R16.1@57.399,34.529
  Bottom Layer w0.127: pad.5@57.812,34.557 58.587,34.557 SW1.7@58.702,34.442
NetR24_1: R24.1 U2.1 | length 9.4
  Bottom Layer w0.3: R24.1@33.236,21.082 33.236,18.583 33.817,18.003 38.268,18.003 38.74,18.475 38.89,18.475 U2.1@39.49,19.075
NetR48_2: R48.2 U4.31 | length 4.4
  Top Layer w0.127: 10.277,23.257 10.705,23.257 10.705,23.27 11.238,23.803 U4.31@11.501,23.803
  Top Layer w0.13: 8.543,22.493 9.307,23.257 10.277,23.257
  Top Layer w0.2: R48.2@7.925,21.875 7.925,21.925 8.1,22.1 8.15,22.1 8.543,22.493
NetR50_1: R50.1 U6.6 | length 3
  Bottom Layer w0.203: R50.1@38.532,40.504 39.094,40.504 39.338,40.749 40.438,40.749 40.7,40.487 U6.6@40.7,39.878
NetR60_1: pad.5@57.812,31.957 R60.1 SW1.9 | length 1.4
  Top Layer w0.127: R60.1@57.379,31.949 pad.5@57.772,31.949
  Top Layer w0.254: R60.1@57.372,31.942 R60.1@57.379,31.949
  Bottom Layer w0.127: pad.5@57.812,31.957 58.557,31.957 58.672,31.842 58.672,31.872 SW1.9@58.702,31.902
NetR61_1: pad.5@57.812,33.257 R61.1 SW1.8 | length 1.6
  Top Layer w0.127: R61.1@57.389,33.239 pad.5@57.995,33.239
  Top Layer w0.254: R61.1@57.372,33.222 R61.1@57.389,33.239
  Bottom Layer w0.127: pad.5@57.812,33.257 58.617,33.257 SW1.8@58.702,33.172
NetR70_1: R70.1 R71.2 U14.4 | length 2
  Bottom Layer w0.3: U14.4@17.701,42.025 17.701,42.659 17.976,42.934 R71.2@17.976,43.933
NetR185_1: R185.1 U61.2 | length 1.5
  Top Layer w0.127: U61.2@57.769,51.192 57.827,51.134 57.936,51.134 58.145,51.343 58.145,51.492 v1@58.082,51.428
  Bottom Layer w0.127: R185.1@58.2,50.77 58.219,50.789 v1(58.219,51.492)
NetR186_1: R186.1 TP41.1 U61.9 U62.11 | length 19.8
  Top Layer w0.127: v1(53.524,50.781) 53.524,50.641 54.075,51.192 U61.9@54.269,51.192 54.269,51.042 U61.9@54.208,50.98
  Bottom Layer w0.127: U62.11@49.071,37.009 49.071,37.359 48.592,37.838 48.363,37.838 48.06,38.141 48.06,39.125 48.41,39.475 48.41,41.485 49.025,42.1 50.29,42.1 51.307,43.117 TP41.1@51.307,48.951 52.331,49.975 52.65,49.975 53.456,50.781 v1(53.524,50.781) 53.873,51.13 53.977,51.13 R186.1@54.189,51.342
NetR213_1: R213.1 RZ28.1 TP44.1 U62.7 | length 8.7
  Bottom Layer w0.152: TP44.1@42.977,40.238 43.723,39.493 R213.1@43.723,38.656 43.524,38.457 43.524,38.256 43.364,38.096 RZ28.1@43.364,37.578 43.384,37.558 45.924,37.558 46.713,36.769 46.713,36.551 47.205,36.059 U62.7@48.221,36.059
NetR214_1: R214.1 RZ29.1 TP43.1 U62.8 | length 7.8
  Bottom Layer w0.152: TP43.1@46.155,41.25 45.35,41.25 44.709,40.609 R214.1@44.709,39.749 44.709,39.699 44.908,39.5 44.958,39.5 45.508,38.95 45.541,38.95 45.739,38.751 RZ29.1@45.739,38.701 45.739,38.561 46.975,37.325 46.975,36.956 47.35,36.581 47.458,36.581 47.581,36.459 U62.8@48.221,36.459
NetTP19_1: TP19.1 U11.5 | length 4.8
  Top Layer w0.254: v1@47.251,28.575 U11.5@47.95,28.575
  Bottom Layer w0.254: v1(47.13,28.68) 46.68,28.68 46.319,28.319 46.319,27.081 46.905,26.495 47.278,26.495 47.723,26.05 TP19.1@47.8,26.05
NetTP21_1: TP21.1 U12.5 | length 4.1
  Bottom Layer w0.152: U12.5@47.95,28.575 48.751,28.575 49.221,29.046 49.221,29.902 49.638,30.318 49.992,30.318 50.535,30.861 TP21.1@50.587,30.861
NetTP42_1: TP42.1 U62.6 | length 3
  Bottom Layer w0.127: TP42.1@45.713,36.551 46.755,35.509 U62.6@48.271,35.509
nRST_LED: D7.2 R56.1 | length 3.5
  Bottom Layer w0.127: R56.1@1.864,38.645 1.948,38.729 2.305,38.729 2.709,38.325 4.95,38.325 D7.2@5.125,38.5
OE_DIFF0: R35.2 U7.5 | length 2.4
  Top Layer w0.206: R35.2@25.937,20.503 26.731,20.503 27.081,20.853 27.081,21.144 27.358,21.421 27.358,21.793 U7.5@27.405,21.84
OE_DIFF1: R37.2 U7.18 | length 3
  Top Layer w0.2: R37.2@22.925,25.608 22.925,25.635 23.016,25.727 23.044,25.727 23.51,26.193 25.216,26.193 25.269,26.14 25.355,26.14 25.405,26.09 U7.18@25.405,25.84
OS_EN: OS1.1 R30.1 | length 1.4
  Bottom Layer w0.13: R30.1@20.637,28.056 R30.1@20.706,28.125
  Bottom Layer w0.152: OS1.1@20.637,26.803 R30.1@20.637,28.056
OS_OUT: OS1.3 R64.2 | length 1.6
  Bottom Layer w0.254: OS1.3@22.287,25.253 22.287,24.478 22.484,24.281 22.484,23.806 R64.2@22.562,23.728
OS_VIN: C20.1 FB1.1 OS1.4 | length 3.9
  Bottom Layer w0.206: OS1.4@20.637,25.253 20.637,25.153 20.859,24.931 20.959,24.931 21.262,24.628 C20.1@21.262,23.853 21.409,23.705 21.759,23.705 21.987,23.478 21.987,23.093 22.25,22.83 22.25,22.8 22.607,22.443 FB1.1@22.637,22.443
PCIE_1V0: C36.2 C37.2 C42.2 C43.2 C44.2 C45.2 C46.2 C47.2 L2.2 U4.3 U4.8 U4.22 U4.30 | length 23
  Top Layer w0.127: v1(10.138,23.731) 10.138,23.693 10.177,23.654 10.252,23.729 10.429,23.729 ; U4.3@12.776,22.928 12.776,22.192 v1(12.78,22.188) ; U4.8@14.776,22.928 14.776,22.451 v1(14.876,22.351)
  Top Layer w0.203: 10.429,23.729 10.903,24.203 U4.30@11.501,24.203
  Top Layer w0.254: v1(12.474,29.138) 12.468,29.132 12.468,27.961 12.776,27.653 U4.22@12.776,26.678
  Bottom Layer w0.127: v1@14.851,22.351 v1(14.876,22.351)
  Bottom Layer w0.254: C46.2@9.3,23.675 v1@10.179,23.675 ; C37.2@11.572,29.864 11.625,29.917 C36.2@11.625,31.325 ; L2.2@12.179,27.717 12.065,27.603 12.065,26.381 11.907,26.224 11.051,26.224 10.138,25.31 v1(10.138,23.731) 10.138,23.716 v1@10.179,23.675 ; C45.2@14.75,21.4 14.75,22.156 14.828,22.234 14.828,22.326 14.802,22.351 13.601,22.351 C42.2@13.575,22.325 12.803,22.325 12.78,22.302 v1(12.78,22.188) 12.362,22.188 C43.2@12.05,22.5 11.258,23.292 11.108,23.292 C47.2@10.925,23.475 10.771,23.629 10.244,23.629 10.198,23.675 v1@10.179,23.675 ; v1@14.851,22.351 15.152,22.05 C44.2@16.025,22.05
  Bottom Layer w0.305: C37.2@11.62,29.864 12.384,29.864 12.425,29.823 v1(12.48,29.823) ; L2.2@12.179,27.717 L2.2@12.457,27.994 ; v1@12.457,29.12 v1(12.474,29.138) v1@12.474,29.817
PCIe_CLKREQ_N_1V8: J3.65 U6.4 | length 14.4
  Top Layer w0.152: v1(45.2,49.2) 46.4,50.4 47.161,50.4 47.486,50.725 J3.65@48.06,50.725
  Bottom Layer w0.127: U6.4@41.2,42.978 43.853,42.978 44.503,43.628 44.503,44.072 45.082,44.65 46.05,44.65 46.25,44.85 46.25,48.15 v1(45.2,49.2)
PCIe_CLKREQ_N_3V3: R46.2 U4.12 U6.1 | length 36.8
  Top Layer w0.152: U4.12@15.251,24.603 17.103,24.603 17.5,25 17.975,25 18.977,26.002 18.977,27.165 19.164,27.352 20,28.188 20,28.5 v1(22,30.5)
  Bottom Layer w0.152: v1(22,30.5) 22.875,30.5 25.821,33.446 33.841,33.446 36.875,36.48 36.875,42.461 37.809,43.395 38.562,43.395 38.562,43.42 39.052,43.42 39.411,43.061 39.626,43.061 39.7,42.988 U6.1@39.7,42.978
PCIe_ISOLATE_N_1V8: R27.2 U6.5 | length 3.9
  Bottom Layer w0.203: U6.5@41.2,39.878 41.2,40.633 41.2,41.7 41.508,42.008 R27.2@42.625,42.008 ; R27.2@42.277,41.66 R27.2@42.625,42.008 ; R27.2@42.625,42.058 R27.2@42.625,42.008
PCIe_ISOLATE_N_3V3: R49.2 U4.20 U6.8 | length 34.6
  Top Layer w0.152: U4.20@13.576,26.678 13.576,27.255 13.675,27.354 13.675,27.675 14.029,28.029 14.029,28.829 14.384,29.184 14.741,29.184 15.722,30.164 v1(16.155,30.164)
  Bottom Layer w0.152: v1(16.155,30.164) 16.631,29.689 23.011,29.689 24.497,31.175 32.264,31.175 37.319,36.23 37.319,38.228 38.266,39.175 38.336,39.175 R49.2@38.535,39.374 ; R49.2@38.568,39.451 38.637,39.382 39.033,39.382 39.212,39.203 39.594,39.203 39.7,39.309 U6.8@39.7,39.878
PCIe_PERST_1V8: J3.63 Q1.1 | length 45.1
  Top Layer w0.152: v1(45.45,45.15) 45.45,45.167 45.7,45.417 45.7,49.2 46.5,50 47.273,50 47.598,50.325 J3.63@48.06,50.325
  Bottom Layer w0.152: Q1.1@17.25,30.325 18.325,30.325 19.604,31.604 22.954,31.604 25.5,34.15 33.906,34.15 36.178,36.422 36.178,42.803 37.375,44 39.975,44 40.35,44.375 42.193,44.375 42.568,44.75 44.6,44.75 45,45.15 v1(45.45,45.15)
PCIe_PERST_N_3V3: Q1.3 R28.2 U4.19 | length 6
  Top Layer w0.127: U4.19@13.976,26.678 13.976,27.101 14.125,27.25 14.125,27.393 14.179,27.446 14.179,27.779 14.838,28.438 v1(14.838,28.513)
  Bottom Layer w0.254: R28.2@14.454,31.616 14.602,31.468 14.882,31.468 15.25,31.1 Q1.3@15.25,29.375 15.25,28.963 14.8,28.513 v1(14.838,28.513)
PCIe_WAKE_N: R29.2 U4.21 | length 2.2
  Top Layer w0.127: 13.176,27.723 13.275,27.822 13.275,27.925
  Top Layer w0.152: U4.21@13.176,26.678 13.182,26.684 13.182,27.717 13.176,27.723
  Top Layer w0.254: 13.275,27.822 13.397,27.944 R29.2@13.397,28.653
PG_LED: D3.2 R53.1 | length 2.9
  Bottom Layer w0.152: R53.1@2.973,36.115 2.973,35.277 3.213,35.037 D3.2@4.888,35.037
RCL: R10.2 U1.9 | length 5.7
  Top Layer w0.203: R10.2@30.025,9.35 30.025,10.875 30.675,11.525 32.025,11.525 32.233,11.733 33.07,11.733 33.162,11.825 U1.9@33.8,11.825
RDET: R11.2 U1.6 | length 7.5
  Top Layer w0.254: R11.2@28.2,9.4 28.548,9.748 28.573,9.748 28.9,10.075 28.9,10.575 30.55,12.225 30.963,12.225 32.063,13.325 U1.6@33.8,13.325
REF_CLK_SS0: R38.2 R44.1 U7.7 | length 8.2
  Top Layer w0.206: U7.7@28.662,22.583 U7.7@28.655,22.59 30.09,22.59 31.297,23.797 34.4,23.797 34.776,24.173 34.776,24.223 34.948,24.395 34.998,24.395 35.012,24.381 R38.2@36.068,24.381
REF_CLK_SS1: R39.2 R45.1 U7.8 | length 5.9
  Top Layer w0.206: U7.8@28.655,23.09 29.59,23.09 30.794,24.294 31.976,24.294 32.184,24.503 R39.2@32.819,24.503 ; R39.2@32.711,24.491 R45.1@33.89,24.491
REGOUT: L2.1 U4.24 | length 5
  Top Layer w0.203: v1(10.745,27.208) 10.745,27.134 10.75,27.128 10.835,27.128 11.555,27.128 11.787,27.128 11.976,26.939 U4.24@11.976,26.678
  Top Layer w0.457: v1@10.835,27.128 v1(11.192,26.771) 11.198,26.771 11.555,27.128
  Bottom Layer w0.305: L2.1@9.879,27.717 9.879,27.48 9.879,27.476 L2.1@10.227,27.129
  Bottom Layer w0.457: L2.1@9.879,27.48 10.151,27.208 v1(10.745,27.208) 10.755,27.208 v1(11.192,26.771)
RXB_N: J10.B10 U61.18 | length 16.1
  Top Layer w0.178: v1(57.214,48.269) 57.214,48.358 57.373,48.517 57.373,48.646 57.338,48.681 57.305,48.681 57.269,48.717 U61.18@57.269,48.892
  Bottom Layer w0.178: J10.B10@55.29,40.02 55.229,39.959 54.826,39.959 54.777,39.91 53.887,39.91 52.788,41.008 52.788,47.763 53.478,48.453 53.9,48.875 57.159,48.875 57.373,48.661 57.373,48.5 57.214,48.341 v1(57.214,48.269)
RXB_P: J10.B11 U61.19 | length 17.5
  Top Layer w0.178: 57.653,48.502 57.653,48.513 ; U61.19@57.769,48.892 57.769,48.717 57.733,48.681 57.693,48.681 57.653,48.64 57.653,48.513 ; v1(57.811,48.265) 57.811,48.354 57.653,48.513
  Bottom Layer w0.178: J10.B11@55.29,39.52 55.229,39.581 54.826,39.581 54.777,39.63 53.771,39.63 52.508,40.893 52.508,47.878 53.362,48.733 53.784,49.155 57.275,49.155 57.653,48.777 57.653,48.513 57.811,48.354 v1(57.811,48.265)
RXC_N: J10.A10 U61.14 | length 9.8
  Top Layer w0.178: U61.14@55.269,48.892 55.305,48.856 55.305,48.568 55.38,48.493 55.38,48.055 55.05,47.725 54.505,47.18 54.309,47.18 53.789,46.659 53.789,44.995 54.216,44.568 54.812,44.568 54.965,44.415 55.485,43.895 57.365,43.895 57.523,43.736 v1(57.612,43.736)
  Bottom Layer w0.178: J10.A10@56.8,43.77 56.817,43.753 v1@57.523,43.753
RXC_P: J10.A11 U61.15 | length 9.3
  Top Layer w0.178: U61.15@55.769,48.892 55.733,48.856 55.733,48.568 55.659,48.493 55.659,47.939 55.33,47.61 55.073,47.352 54.62,46.9 54.425,46.9 54.068,46.543 54.068,45.111 54.332,44.847 54.928,44.847 55.15,44.625 55.601,44.174 57.365,44.174 57.523,44.333 v1(57.612,44.333)
  Bottom Layer w0.178: J10.A11@56.8,44.27 57.025,44.27 57.135,44.16 v1@57.473,44.16
sd_hst0_clk: J2.61 J7.5 | length 27.1
  Top Layer w0.127: J2.61@11.06,46.925 11.087,46.899 11.425,46.899 11.692,46.631 11.692,46.086 v1(12.014,45.764) ; v1(15.933,48.68) 15.848,48.68 15.785,48.617 15.848,48.617 15.933,48.617 16.103,48.617 16.286,48.8 17.1,48.8 19.136,50.836 21.836,50.836 23.872,52.872 23.872,52.978 23.868,52.982 23.868,53.986 25.807,55.925 28.925,55.925 29.261,55.589 v1(29.261,55.023)
  Bottom Layer w0.127: v1(12.014,45.764) 12.082,45.764 12.316,45.531 14.362,45.531 14.84,46.009 14.84,47.556 15.933,48.649 v1(15.933,48.68) ; v1(29.261,55.023) 29.262,55.025 J7.5@29.262,56.062
sd_hst0_cmd: J2.63 J7.3 | length 28.3
  Top Layer w0.127: J2.63@11.06,47.325 11.087,47.299 11.481,47.299 12.059,46.721 12.059,46.341 12.175,46.225 12.371,46.225 12.379,46.217 12.563,46.217 v1(12.636,46.144) ; v1(16.388,49.305) 17.08,49.305 19.16,51.385 21.81,51.385 23.489,53.064 23.489,54.09 25.674,56.275 30.283,56.275 v1(31.51,55.048)
  Bottom Layer w0.127: v1(12.636,46.144) 12.877,45.903 13.579,45.903 14.452,46.777 14.452,47.656 15.467,48.671 15.467,48.809 15.963,49.305 v1(16.388,49.305) ; J7.3@31.462,56.062 31.462,55.096 v1(31.51,55.048)
sd_hst0_dat_0: J2.40 J7.7 | length 26.9
  Top Layer w0.127: J2.40@14.14,42.525 14.166,42.551 14.533,42.551 15.016,43.034 15.016,46.057 16.259,47.3 16.591,47.632 cw(c16.734,47.489) 16.878,47.632 17.163,47.347 ccw(c17.307,47.491) 17.45,47.634 17.087,47.998 cw(c17.23,48.141) 17.374,48.285 17.753,47.905 ccw(c17.897,48.049) 18.04,48.193 17.661,48.572 cw(c17.804,48.716) 17.661,48.859 cw(c17.804,48.716) 17.948,48.859 18.327,48.48 ccw(c18.471,48.623) 18.614,48.767 18.235,49.146 cw(c18.378,49.29) 18.522,49.433 18.901,49.054 ccw(c19.045,49.197) 19.189,49.341 18.887,49.642 cw(c19.031,49.785) 18.887,49.929 19.313,50.354 19.48,50.354 22.004,50.354 25.438,53.788 25.963,53.788 27.062,54.887 v1(27.062,54.981)
  Bottom Layer w0.127: v1(27.062,54.981) J7.7@27.063,56.062
sd_hst0_dat_1: J2.38 J7.8 | length 27.1
  Top Layer w0.127: J2.38@14.14,42.125 14.77,42.125 15.25,42.606 15.25,45.936 16.29,46.975 17.742,46.975 20.646,49.879 22.104,49.879 22.581,50.356 24.106,50.356 24.408,50.658 24.453,50.703 ccw(c24.264,50.891) 24.453,51.08 24.396,51.137 cw(c24.584,51.325) 24.396,51.514 cw(c24.584,51.325) 24.773,51.514 25.033,51.254 ccw(c25.221,51.442) 25.41,51.254 ccw(c25.221,51.442) 25.41,51.63 25.15,51.89 cw(c25.338,52.079) 25.15,52.267 cw(c25.338,52.079) 25.527,52.267 25.583,52.21 ccw(c25.772,52.399) 25.96,52.21 26.929,53.179 27.758,54.008 27.758,55.226 27.387,55.597 26.688,55.597 v1(26.042,54.951)
  Bottom Layer w0.127: J7.8@26.013,56.062 26.013,54.98 v1(26.042,54.951)
sd_hst0_dat_2: J2.36 J7.1 | length 28.2
  Top Layer w0.127: J2.36@14.14,41.725 14.748,41.725 15.5,42.477 15.5,44.014 20.91,49.424 22.324,49.424 22.556,49.656 24.806,49.656 29.45,54.3 31.8,54.3 32.05,54.55 32.05,55.4 32.375,55.725 32.975,55.725 33.665,55.035 v1@33.665,54.838
  Bottom Layer w0.127: J7.1@33.663,56.062 33.665,56.06 v1(33.665,55.037)
sd_hst0_dat_3: J2.32 J7.2 | length 26.9
  Top Layer w0.127: J2.32@14.14,40.925 15.288,40.925 15.578,41.216 v1(15.578,41.249) ; v1(16.025,42.6) 16.025,43.75 21.171,48.896 22.571,48.896 22.951,49.276 24.953,49.276 28.96,53.284 31.509,53.284 32.56,54.335 v1(32.56,55.041)
  Bottom Layer w0.127: v1(15.578,41.249) 16.025,41.696 v1(16.025,42.6) ; v1(32.56,55.041) 32.563,55.043 J7.2@32.563,56.062
SDS_IO_CLKI1_N: R36.2 U7.13 | length 6.5
  Top Layer w0.13: U7.13@27.905,25.84 27.905,26.09 27.752,26.244 27.752,26.579 28.903,27.73 29.267,27.73 29.562,27.73 cw(c29.562,27.6) 29.692,27.6 29.692,27.584 ccw(c29.807,27.584) 29.807,27.468 ccw(c29.807,27.584) 29.922,27.584 29.922,27.6 cw(c30.052,27.6) 30.052,27.73 31.1,27.73 32.218,27.73 32.221,27.732 32.297,27.656 32.297,27.563 R36.2@32.457,27.403
SDS_IO_CLKI1_P: R34.2 U7.14 | length 6.6
  Top Layer w0.13: U7.14@27.405,25.84 27.49,25.926 27.49,26.221 27.521,26.252 27.521,26.674 28.807,27.961 31.6,27.961 31.603,27.964 32.233,27.964 32.309,28.039 32.309,28.128 R34.2@32.469,28.288
SDS_IO_CLKI_N: J3.81 R36.1 R41.2 | length 38.6
  Top Layer w0.13: R36.1@33.357,27.403 33.517,27.563 33.517,27.651 33.593,27.727 33.885,27.727 33.901,27.743 34.008,27.743 34.084,27.667 34.084,27.648 34.244,27.488 R41.2@34.294,27.488 34.344,27.488 34.504,27.648 34.504,27.696 34.58,27.772 35.449,27.772 36.085,28.408 36.256,28.579 36.256,30.554 38.206,32.504 38.206,46.356 38.671,46.821 38.806,46.956 38.806,48.056 39.825,49.075 41.802,49.075 41.938,49.21 42.264,49.537 42.264,50.485 42.447,50.668 v1(42.447,50.75) ; v1(42.447,52.975) 42.447,53.057 42.264,53.24 42.264,53.437 42.527,53.7 47.027,53.7 47.336,54.009 47.716,54.009 47.8,53.925 J3.81@48.06,53.925
  Bottom Layer w0.13: v1(42.447,50.75) 42.447,50.832 42.264,51.015 42.264,52.71 42.447,52.893 v1(42.447,52.975)
SDS_IO_CLKI_P: J3.83 R34.1 R40.1 | length 38.6
  Top Layer w0.13: R34.1@33.369,28.288 33.529,28.128 33.529,28.034 33.605,27.958 33.789,27.958 33.805,27.975 33.979,27.975 34.084,28.079 34.084,28.128 34.244,28.288 R40.1@34.294,28.288 34.344,28.288 34.504,28.128 34.504,28.079 34.58,28.003 35.353,28.003 35.75,28.4 36.025,28.675 36.025,30.65 37.975,32.6 37.975,46.452 38.461,46.939 38.575,47.052 38.575,48.152 39.511,49.089 39.729,49.306 41.706,49.306 42.033,49.633 42.033,50.485 41.85,50.668 v1(41.85,50.75) ; v1(41.85,52.975) 41.85,53.057 42.033,53.24 42.033,53.533 42.431,53.931 46.931,53.931 47.241,54.241 47.716,54.241 47.8,54.325 J3.83@48.06,54.325
  Bottom Layer w0.13: v1(41.85,50.75) 41.85,50.832 42.033,51.015 42.033,52.71 41.85,52.893 v1(41.85,52.975)
SDS_RXD1_N: C16.2 U4.18 | length 3
  Top Layer w0.13: U4.18@14.376,26.678 14.376,26.948 14.461,27.032 14.461,27.314 15.254,28.107 16.104,28.107 16.18,28.183 16.18,28.23 16.275,28.325 C16.2@16.295,28.325
SDS_RXD1_P: C15.2 U4.17 | length 3
  Top Layer w0.13: U4.17@14.776,26.678 14.776,26.948 14.692,27.032 14.692,27.156 14.692,27.218 14.87,27.396 cw(c14.962,27.304) 15.053,27.396 15.086,27.363 ccw(c15.168,27.444) 15.25,27.526 15.216,27.559 cw(c15.308,27.65) 15.216,27.742 15.35,27.876 15.831,27.876 16.114,27.876 16.19,27.8 16.19,27.753 16.285,27.658 C15.2@16.305,27.658
SDS_RXD_N: C16.1 J3.77 | length 50.5
  Top Layer w0.13: C16.1@16.855,28.325 16.875,28.325 16.97,28.23 16.97,28.183 17.046,28.107 17.468,28.107 17.926,28.565 17.926,28.905 22.093,33.072 34.979,33.072 35.958,34.051 35.958,48.824 38.816,51.681 39.538,52.404 44.862,52.404 45.46,53.001 47.38,53.001 47.42,53.041 47.716,53.041 47.8,53.125 J3.77@48.06,53.125